# Altium PCB PCB_Raspberry_V4.PcbDoc (continued)
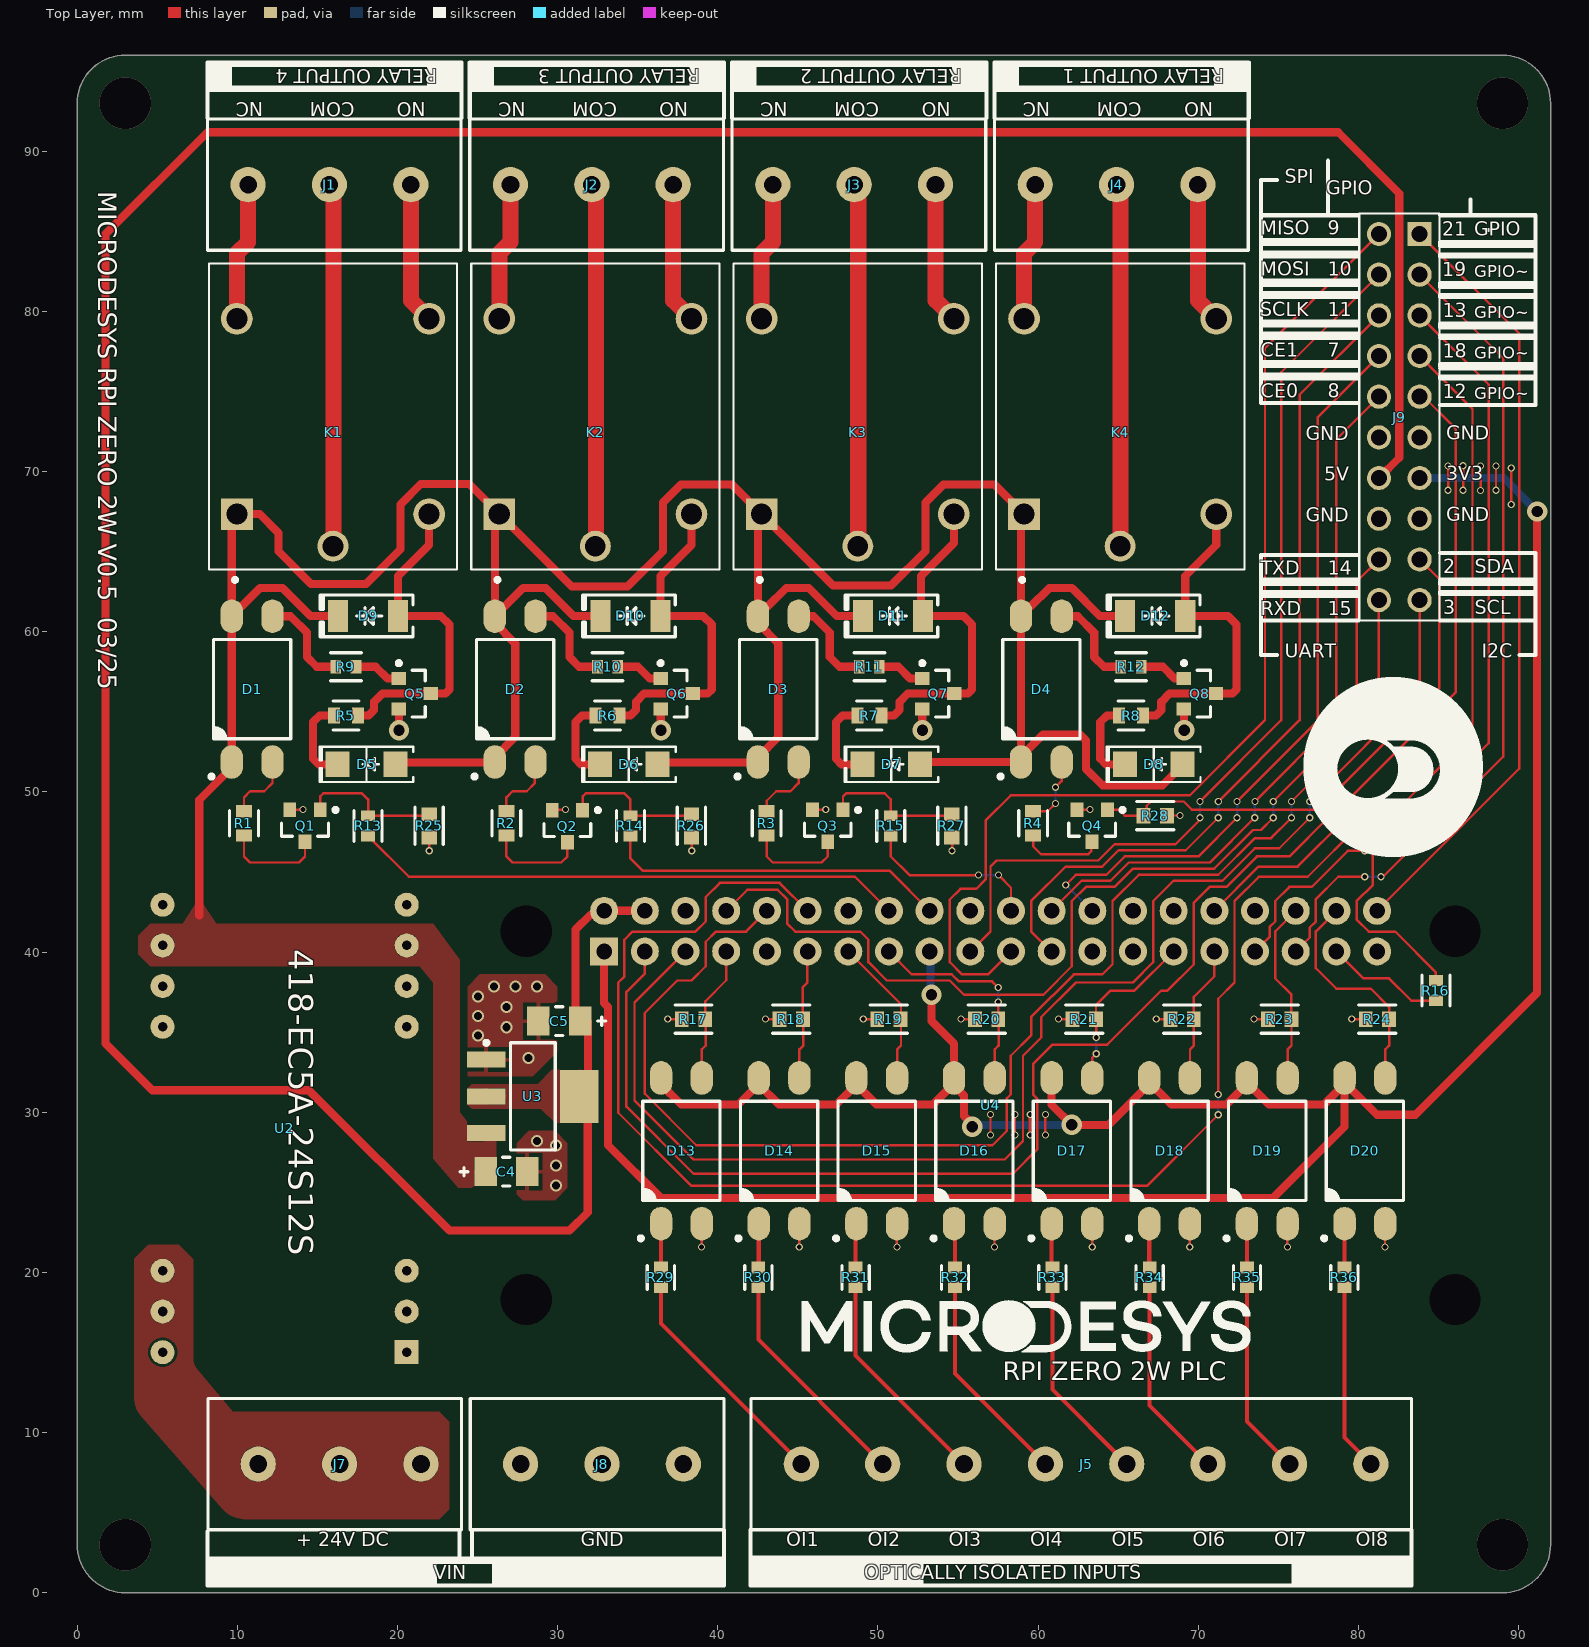
[diagram p0: Top Layer view]
## Part data
C4 C5: library part CMP-2000-07219-2, "TAJA106M010RNJ 10uF 10V  ±20% 3Ω 1206  SMD Tantalum Capacitor", Case Code (Imperial)=1206, Case Code (Metric)=3216, Dielectric Material=Tantalum, ESR (Equivalent Series Resistance)=3R, Leakage Current=1uA, Max Operating Temperature=125°C, Min Operating Temperature=-55°C, Package Quantity=1, Tolerance=20%, Voltage=10V, Capacitance=10uF, Case/Package=1206, Construction=Flat, Depth=1.6mm, Dissipation Factor=6%, Features="General Purpose", Height=1.6mm, Height - Seated (Max)=0.071inch, Lead Free="Lead Free", Lead Pitch=1.1mm, Length=3.2mm, Mount="Surface Mount", Number of Pins=2, Packaging="Tape and Reel", Polarity=Polar, Radiation Hardening=No, REACH SVHC="No SVHC", RoHS Compliant=Yes, Series=TAJ, Termination=SMD/SMT, Voltage Rating=10V, Voltage Rating (DC)=10V, Width=0.063inch
D1 D2 D3 D4 D13 D14 D15 D16 D17 D18 D19 D20: "OPTOISOLATR 5KV TRANSISTOR 4-SMD", Current - DC Forward (If) (Max)=50mA, Current Transfer Ratio (Max)="600% @ 5mA", Current Transfer Ratio (Min)="50% @ 5mA", Device Package="4-SMD, Gull Wing", Manufacturer="Lite-On Inc.", Operating Temperature="-30°C ~ 110°C", Supplier Device Package=4-SMD, Supplier Part Number 1=160-2038-1-ND, Voltage - Forward (Vf) (Typ)=1.2V, Voltage - Isolation=5000Vrms, Voltage - Output (Max)=35V, ComponentLink1Description=Datasheet, ComponentLink1URL=http://optoelectronics.liteon.com/upload/download/DS-70-96-0016/LTV-8X7%20series%20201610%20.pdf, ComponentLink2Description="DigiKey Link", ComponentLink2URL=http://digikey.com/product-detail/en/lite-on-inc/LTV-817S-TA/160-2038-1-ND/3711420, Current - Output / Channel=50mA, Input Type=DC, LastUpdated="12/01/2020 21:59:02", Lifecycle Status=Active, Minimum Order=1, Mounting Type="Surface Mount", Number of Channels=1, Output Type=Transistor, Package / Case="4-SMD, Gull Wing", Packaging=TapeAndReel, Part Number=LTV-817S-TA, Part Status=Active, Price=0.12, Rise / Fall Time (Typ)="4µs, 3µs", Series=-, Supplier 1=DigiKey, Vce Saturation (Max)=200mV
D5 D6 D7 D8: library part LTST-C150KAKT, "LED RED CLEAR SMD", Current - Test=20mA, Device Package="1206 (3216 Metric)", Lens Color=Colorless, Manufacturer="Lite-On Inc.", Millicandela Rating=55mcd, Supplier Part Number 1=160-1402-1-ND, Voltage - Forward (Vf) (Typ)=2V, Color=Red, ComponentLink1Description=Datasheet, ComponentLink1URL=//media.digikey.com/pdf/Data%20Sheets/Lite-On%20PDFs/LTST-C150KAKT.pdf, ComponentLink2Description="DigiKey Link", ComponentLink2URL=http://digikey.com/product-detail/en/lite-on-inc/LTST-C150KAKT/160-1402-1-ND/386755, Configuration=Standard, Height (Max)=1.10mm, LastUpdated="03/06/2024 20:00:41", Lens Size="2.06mm x 1.60mm", Lens Style="Rectangle with Flat Top", Lens Transparency=Clear, Lifecycle Status=Active, Minimum Order=1, Mounting Type="Surface Mount", Package / Case="1206 (3216 Metric)", Packaging=TapeAndReel, Part Number=LTST-C150KAKT, Part Status=Active, PartId=189, Price=0.07, Series=-, Size / Dimension="3.20mm L x 1.60mm W", Supplier 1=DigiKey, Viewing Angle=130°, Wavelength - Dominant=615nm, Wavelength - Peak=621nm
D9 D10 D11 D12: "DIODE GEN PURP 100V 200MA SOD80", Current - Average Rectified (Io)=200mA, Current - Reverse Leakage @ Vr="25nA @ 20V", Manufacturer="ON Semiconductor", Operating Temperature - Junction="-55°C ~ 175°C", Package / Case="DO-213AC, MINI-MELF, SOD-80", Supplier Device Package=SOD-80, Supplier Part Number 1=LL4148FSCT-ND, Voltage - DC Reverse (Vr) (Max)=100V, Voltage - Forward (Vf) (Max) @ If="1V @ 10mA", ComponentLink1Description=Datasheet, ComponentLink1URL=https://www.onsemi.com/pub/Collateral/LL4148-D.pdf, ComponentLink2Description="DigiKey Link", ComponentLink2URL=http://digikey.com/product-detail/en/on-semiconductor/LL4148/LL4148FSCT-ND/1923118, Diode Type=Standard, LastUpdated="03/06/2024 20:05:39", Lifecycle Status=Active, Minimum Order=1, Mounting Type="Surface Mount", Packaging=TapeAndReel, Part Number=LL4148, Part Status=Active, PartId=2621, Price=0.02, Reverse Recovery Time (trr)=4ns, Series=-, Speed="Small Signal =< 200mA (Io), Any Speed", Supplier 1=DigiKey
J1 J2 J3 J4 J7 J8: "TERM BLK 3P SIDE ENT 5.08MM PCB", Color=Green, Current="13.5 A", Manufacturer="TE Connectivity AMP Connectors", Supplier Part Number 1=A113321-ND, Voltage="300 V", ComponentLink1Description=Datasheet, ComponentLink1URL=https://www.te.com/commerce/DocumentDelivery/DDEController?Action=srchrtrv&DocNm=282837&DocType=Customer+Drawing&DocLang=English, ComponentLink2Description="DigiKey Link", ComponentLink2URL=https://www.digikey.com/en/products/detail/te-connectivity-amp-connectors/282837-3/2187974, Features="Interlocking (Side)", LastUpdated="21/06/2022 15:00:39", Lifecycle Status=Active, Mating Orientation="Horizontal with Board", Minimum Order=1, Mounting Type="Through Hole", Number of Levels=1, Packaging=Tray, Part Number=282837-3, Part Status=Active, Pitch="0.200\" (5.08mm)", Positions Per Level=3, Price=0.47, Series=Buchanan, Supplier 1=DigiKey, Wire Gauge="16-28 AWG", Wire Termination="Screw - Rising Cage Clamp"
J5: "TERM BLK 8P SIDE ENT 5.08MM PCB", Color=Green, Current="13.5 A", Manufacturer="TE Connectivity AMP Connectors", Supplier Part Number 1=282837-8-ND, Voltage="300 V", ComponentLink1Description=Datasheet, ComponentLink1URL=https://www.te.com/commerce/DocumentDelivery/DDEController?Action=srchrtrv&DocNm=282837&DocType=Customer+Drawing&DocLang=English, ComponentLink2Description="DigiKey Link", ComponentLink2URL=https://www.digikey.com/en/products/detail/te-connectivity-amp-connectors/282837-8/2222331, Features="Interlocking (Side)", LastUpdated="21/06/2022 15:01:52", Lifecycle Status=Active, Mating Orientation="Horizontal with Board", Minimum Order=1, Mounting Type="Through Hole", Number of Levels=1, Packaging=Bulk, Part Number=282837-8, Part Status=Active, Pitch="0.200\" (5.08mm)", Positions Per Level=8, Price=1.64, Series=Buchanan, Supplier 1=DigiKey, Wire Gauge="16-28 AWG", Wire Termination="Screw - Rising Cage Clamp"
J9: "Conn Unshrouded Header HDR 20 POS 2.54mm Solder ST Thru-Hole Box", Package=None, Availability=Good, Check_prices=https://www.snapeda.com/parts/1-826656-0/TE%20Connectivity%20AMP%20Connectors/view-part/2881856/?ref=eda, MF="TE Connectivity", MP=1-826656-0, Price=None, Purchase-URL=https://pricing.snapeda.com/search/part/1-826656-0/?ref=eda, SnapEDA_Link=https://www.snapeda.com/parts/1-826656-0/TE%20Connectivity%20AMP%20Connectors/view-part/2881856/?ref=snap
K1 K2 K3 K4: library part SRD-05VDC-SL-C, "5V Trigger Relay Module For Arduino And Raspberry Pi 5V Trigger Relay Module For Arduino And Raspberry Pi", Package="NON STANDARD-5 Songle Relay", Availability="Not in stock", Check_prices=https://www.snapeda.com/parts/SRD-05VDC-SL-C/Songle+Relay/view-part/?ref=eda, MF="Songle Relay", MP=SRD-05VDC-SL-C, Price=None, SnapEDA_Link=https://www.snapeda.com/parts/SRD-05VDC-SL-C/Songle+Relay/view-part/?ref=snap
Q1 Q2 Q3 Q4 Q5 Q6 Q7 Q8: library part CMP-1048-00625-1, "General Purpose Transistor, NPN Silicon, 3-Pin SOT-23, Pb-Free, Tape and Reel", Manufacturer="On Semiconductor", ComponentLink1Description="Manufacturer URL", ComponentLink1URL=http://www.onsemi.com/, ComponentLink2Description=Datasheet, ComponentLink2URL=http://www.onsemi.cn/pub_link/Collateral/MMBT3904LT1-D.PDF, ComponentLink3Description="Package Specification", ComponentLink3URL=http://www.onsemi.cn/pub_link/Collateral/318-08.PDF, DatasheetVersion="Rev. 12", fT Min (MHz)=300, IC Continuous (A)=0.2, Mounting Technology="Surface Mount", PackageDescription="3-Pin Small Outline Transistor, Body 2.92 x 1.3 mm, Pitch 0.95 mm", PackageReference=SOT-23-3-318-08, PackageVersion="Rev. AP, 11/2009", Packing="Tape and Reel", PartNumber=SMMBT3904LT1G, Polarity=NPN, RoHS=TRUE
R1 R2 R3 R4 R5 R6 R7 R8: library part CMP-02407-003128-1, "RES Thick Film, 820Ω, 1%, 0.33W, 100ppm/°C, 0603", Case Code (Imperial)=0603, Case Code (Metric)=1608, Max Operating Temperature=155°C, Max Power Dissipation=250mW, Min Operating Temperature=-55°C, Package Quantity=1, Resistance=820R, Temperature Coefficient=100ppm/°C, Tolerance=1%, Voltage Rating=75V, Case/Package=0603, Composition="Thick Film", Contact Plating=Tin, Depth=0.85mm, Features="Automotive AEC-Q200", Height=0.45mm, Lead Free="Lead Free", Length=1.6mm, Military Standard=Not, Number of Terminations=2, Packaging="Tape and Reel", Power Rating=250mW, Radiation Hardening=No, Termination=SMD/SMT, Voltage Rating (DC)=75V, Weight=7.1E-05oz, Width=0.033inch
R9 R10 R11 R12 R13 R14 R15 R16: library part CMP-02407-000265-1, "MCT0603PD1001DP500 RES SMD 100 OHM 1% 1/8W 0603", Case Code (Imperial)=0603, Case Code (Metric)=1608, Max Operating Temperature=175°C, Max Power Dissipation=250mW, Min Operating Temperature=-55°C, Resistance=1kR, Temperature Coefficient=25ppm/°C, Tolerance=0.5%, Case/Package=0603, Composition="Thin Film", Features="Automotive AEC-Q200", Number of Terminations=2, Packaging="Tape and Reel"
R17 R18 R19 R20 R21 R22 R23 R24 R25 R26 R27 R28: library part CMP-02407-000530-1, "MCT0603MD1002BP100 RES SMD 10k OHM 1% 1/8W 0603", Case Code (Imperial)=0603, Case Code (Metric)=1608, Max Operating Temperature=155°C, Max Power Dissipation=125mW, Min Operating Temperature=-55°C, Package Quantity=1, Resistance=10kR, Temperature Coefficient=25ppm/°C, Tolerance=0.1%, Voltage Rating=75V, Case/Package=0603, Composition="Thin Film", Contact Plating=Tin, Depth=0.85mm, Features="Automotive AEC-Q200", Height=0.45mm, Lead Free="Lead Free", Length=1.55mm, Military Standard=Not, Number of Terminations=2, Packaging="Tape and Reel", Power Rating=125mW, Radiation Hardening=No, REACH SVHC="No SVHC", Voltage Rating (DC)=75V, Width=0.033inch
R29 R30 R31 R32 R33 R34 R35 R36: library part CMP-02407-004713-1, "CRCW06031K50FKEC RES Thick Film, 1.5kΩ, 1%, 0.1W, 100ppm/°C, 0603", Case/Package=0603, Max Operating Temperature=155°C, Max Power Dissipation=100mW, Min Operating Temperature=-55°C, Package Quantity=20000, Resistance=1.5kR, Temperature Coefficient=100ppm/°C, Tolerance=1%, Composition="Thick Film", Depth=0.85mm, Features="Automotive AEC-Q200", Height=0.02inch, Lead Free="Lead Free", Length=0.061inch, Military Standard=Not, Number of Terminations=2, Packaging="Tape and Reel", Width=0.033inch
U3: library part CMP-0062-01640-3, "800mA Low-Dropout Linear Regulator, 4-pin SOT-223", Manufacturer="National Semiconductor", PackageTopMarking=XYTT*N06A, PowerWise=N, Code_IPC=SOT223-4, Code_JEDEC=TO-261-AA, ComponentLink1Description="Manufacturer URL", ComponentLink1URL=http://www.national.com/, ComponentLink2Description="LM1117 Datasheet", ComponentLink2URL=http://www.national.com/ds/LM/LM1117.pdf, ComponentLink3Description="LM1117 Web Page", ComponentLink3URL=http://www.national.com/pf/LM/LM1117.html, ComponentLink4Description="MP04A Package Page", ComponentLink4URL=http://www.national.com/packaging/folders/mp04a.html, CompType="LDO IC", DatasheetVersion=Apr-2006, High-Reliability=Y, PackageDescription="Molded SOT-223, 6.50 x 3.56 x 1.6mm Body, 4 Lead, 2.3mm Pitch", PackageReference=MP04A, PackageVersion="revB, Apr-2003", PartNumber=LM1117MP-5.0, PinCount=4, RevisionNote="SCH symbol layout adjusted", RoHS=N

## Via types
v1: diameter 0.45, hole 0.3, Top Layer to Bottom Layer, tented both sides, 77 vias
v2: diameter 0.75, hole 0.5, Top Layer to Bottom Layer, tented both sides, 13 vias
v3: diameter 1.27, hole 0.711, Top Layer to Bottom Layer, tented both sides, 8 vias
v4: diameter 3.2, hole 3.2, Top Layer to Bottom Layer, 4 vias

## Nets (pads, with @x,y where several pads share a name; then routed paths per layer and width w, separated by ;. In a path a pad name is that pad's centre, name@x,y a point inside that pad or via, vN(x,y) a via of type N, cw(c..) or ccw(c..) an arc to the next point about the centre after c; other vN are vias at no path point)
3V3: D13.4 D14.4 D15.4 D16.4 D17.4 D18.4 D19.4 D20.4 J9.7 U4.1 U4.17 | length 183.9
  Top Layer w0.508: U4.1 32.904,36.819 33.147,36.576 33.147,27.94 36.449,24.638 74.676,24.638 79.132,29.094 79.132,31.761 77.851,30.48 74.422,30.48 73.036,31.866 D19.4 ; D13.4 36.46,31.739 37.719,30.48 41.275,30.48 D14.4@42.556,31.761 ; D14.4 D14.4@42.556,31.761 ; D15.4 D15.4@48.652,31.739 ; v3@53.34,37.465 v3(53.34,37.338) 53.34,35.687 54.748,34.279 D16.4 D16.4@54.748,31.79 ; v3(55.88,29.083) 55.88,29.254 55.372,29.762 55.372,31.046 54.748,31.671 D16.4@54.748,31.79 ; D17.4 60.844,30.469 v3(62.103,29.21) 64.389,29.21 66.94,31.761 D18.4 ; D18.4@66.992,31.813 68.326,30.48 71.755,30.48 D19.4@73.036,31.761 ; D20.4 79.132,31.866 81.153,29.845 83.566,29.845 91.16,37.439 v3(91.16,67.507) ; D14.4@42.556,31.761 42.556,31.739 43.815,30.48 47.393,30.48 D15.4@48.652,31.739 ; D15.4@48.652,31.739 49.911,30.48 53.438,30.48 D16.4@54.748,31.79
  Bottom Layer w0.508: U4.17 53.282,39.978 53.282,37.523 v3@53.34,37.465 ; v3(55.88,29.083) 56.001,29.204 62.097,29.204 v3(62.103,29.21) ; J9.7 89.07,69.596 v3(91.16,67.507)
+5V: C5.2 J9.17 U3.2 U3.4 U4.2 U4.4 | length 212.6
  Top Layer w0.508: U3.4 31.877,30.459 31.877,23.749 30.734,22.606 23.241,22.606 14.478,31.369 4.699,31.369 1.778,34.29 1.778,84.836 8.128,91.186 78.74,91.186 82.55,87.376 82.55,70.866 J9.17 ; C5.2 31.115,35.971 31.115,41.402 32.032,42.319 32.647,42.319 U4.2 U4.4 ; U3.4@31.9,30.459 C5.2@31.9,35.687
+12V: C4.2 D1.1 D1.4 D2.1 D2.4 D3.1 D3.4 D4.1 D4.4 D5.1 D6.1 D7.1 D8.1 D9.2 D10.2 D11.2 D12.2 K1.A1 K2.A1 K3.A1 K4.A1 U2.11 U2.14 U3.3 | length 204.7
  Top Layer w0.508: 7.62,42.291 7.62,49.486 9.653,51.519 D1.1 ; D1.1@9.653,52.158 D1.4@9.653,60.538 ; D1.4 K1.A1@9.653,67.15 ; K1.A1 11.398,67.342 12.573,66.167 12.573,65.024 14.605,62.992 18.034,62.992 20.193,65.151 20.193,67.956 21.452,69.215 24.482,69.215 K2.A1 ; D1.4@10.222,61.538 11.422,62.738 12.827,62.738 14.574,60.991 D9.2@16.16,60.991 ; D5.1@19.865,51.829 D2.1@26.078,51.829 ; D2.1@26.078,52.158 27.347,53.427 27.347,59.269 D2.4@26.078,60.538 ; D2.4 26.078,67.065 K2.A1 ; D2.4@26.648,61.538 27.847,62.738 29.252,62.738 30.999,60.991 D10.2@32.585,60.991 ; D6.1@36.355,51.829 D3.1@42.504,51.829 ; D3.1@42.504,52.158 43.773,53.427 43.773,59.269 D3.4@42.504,60.538 ; D3.4 42.504,67.108 K3.A1 ; D3.4@43.073,61.538 44.273,62.738 45.678,62.738 47.425,60.991 D11.2@49.011,60.991 ; D7.1 52.78,51.869 D4.1 D4.1@58.929,52.219 ; D4.4 D4.1@58.929,52.219 ; D12.2 63.85,60.991 62.103,62.738 60.698,62.738 59.498,61.538 59.458,61.538 58.929,61.009 58.929,67.15 K4.A1 57.271,69.192 54.079,69.192 52.959,68.072 52.959,65.024 50.814,62.879 47.201,62.879 K3.A1 ; D8.1 69.014,51.67 67.763,50.419 64.008,50.419 62.992,51.435 62.992,53.213 62.611,53.594 60.304,53.594 D4.1@58.929,52.219 ; K2.A1 30.878,62.819 34.371,62.819 36.576,65.024 36.576,68.072 37.696,69.192 40.888,69.192 41.448,68.632 K3.A1
+24V: J7.1 J7.2 J7.3 U2.22 U2.23
CE0: J9.15 U4.24 | length 44.6
  Top Layer w0.15: U4.24 62.718,44.45 64.516,44.45 65.659,45.593 70.726,45.593 v1(73.52,48.387) ; v1(73.533,49.403) 78.613,54.483 78.613,72.009 J9.15
  Bottom Layer w0.15: v1@73.526,48.407 v1@73.526,49.396
CE1: J9.14 U4.26 | length 47.3
  Top Layer w0.15: v1(61.722,44.196) 62.357,44.831 64.262,44.831 65.405,45.974 70.009,45.974 v1(72.422,48.387) ; v1(72.422,49.403) 77.47,54.451 77.47,73.406 J9.14
  Bottom Layer w0.15: v1(61.722,44.196) 61.743,44.196 63.363,42.576 U4.26 ; v1(72.422,48.387) v1(72.422,49.403)
COM1: J1.2 K1.COM | length 22.7
  Top Layer w1: J1.2 15.749,87.59 16.002,87.337 16.002,65.774 15.972,65.744 K1.COM
COM2: J2.2 K2.COM | length 21.6
  Top Layer w1: K2.COM@32.385,65.774 J2.2@32.385,87.337
COM3: J3.2 K3.COM | length 21.6
  Top Layer w1: K3.COM@48.768,65.774 J3.2@48.768,87.337
COM4: J4.2 K4.COM | length 21.6
  Top Layer w1: K4.COM@65.151,65.774 J4.2@65.151,87.337
DI1: J9.5 U4.32 | length 40.9
  Top Layer w0.15: U4.32 73.767,45.339 76.2,45.339 v1(79.248,48.387) ; v1(79.249,49.402) 86.086,56.239 86.086,72.664 84.074,74.676 J9.5
  Bottom Layer w0.15: v1(79.248,48.387) v1(79.249,49.402)
DI2: J9.4 U4.12 | length 124.5
  Top Layer w0.15: U4.12 43.857,44.323 40.132,44.323 39.243,43.434 39.243,41.91 38.608,41.275 34.671,41.275 34.163,40.767 34.163,38.481 33.782,38.1 33.782,29.972 38.354,25.4 66.802,25.4 v1(71.247,29.845) ; v1(71.247,31.115) 71.247,37.084 72.263,38.1 72.263,43.18 73.787,44.704 76.835,44.704 v1@80.094,47.963 ; v1@81.42,47.892 87.122,53.594 87.122,73.914 J9.4
  Bottom Layer w0.15: v1(71.247,29.845) v1(71.247,31.115) ; v1(80.129,47.927) v1@81.323,47.927
  other v1: 81.368,47.945
DI3: J9.3 U4.33 | length 49.6
  Top Layer w0.15: U4.33 74.451,40.943 74.451,41.558 74.803,41.91 74.803,43.18 75.692,44.069 77.089,44.069 79.344,46.324 v1(80.387,46.324) ; v1(81.403,46.31) 88.138,53.045 88.138,75.438 J9.3
  Bottom Layer w0.15: v1@80.394,46.317 v1@81.383,46.317
DI4: J9.2 U4.35 | length 51.4
  Top Layer w0.15: U4.35 76.962,40.914 76.962,41.529 77.343,41.91 77.343,43.307 78.741,44.705 v1(80.392,44.705) ; v1(81.407,44.704) 81.534,44.704 89.038,52.208 89.038,77.078 J9.2
  Bottom Layer w0.15: v1(80.392,44.705) v1@81.407,44.704
DI5: J9.1 U4.40 | length 48.5
  Top Layer w0.15: U4.40 90.043,51.455 90.043,78.613 J9.1
GND: C4.1 C5.1 D13.2 D14.2 D15.2 D16.2 D17.2 D18.2 D19.2 D20.2 J8.1 J8.2 J8.3 J9.6 J9.8 J9.16 J9.18 Q1.2 Q2.2 Q3.2 Q4.2 Q5.2 Q6.2 Q7.2 Q8.2 R17.1 R18.1 R19.1 R20.1 R21.1 R22.1 R23.1 R24.1 R25.1 R26.1 R27.1 R28.1 U2.2 U2.3 U2.9 U2.16 U3.1 U4.6 U4.9 U4.14 U4.20 U4.25 U4.30 U4.34 U4.39 | length 39.1
  Top Layer w0.15: Q1.2 13.29,48.895 v1(14.097,48.895) ; v1(21.987,46.327) R25.1@21.987,47.134 ; Q2.2@29.718,48.924 29.747,48.895 v1(30.48,48.895) ; v1(36.876,35.814) R17.1@37.592,35.814 ; v1(38.37,46.327) R26.1@38.37,47.134 ; v1(38.989,21.59) D13.2@38.989,22.225 ; v1(42.977,35.814) R18.1@43.693,35.814 ; v1(45.085,21.59) D14.2@45.085,22.225 ; Q3.2@45.975,48.94 46.02,48.895 v1(46.736,48.895) ; v1(49.077,35.814) R19.1@49.793,35.814 ; v1(51.181,21.59) D15.2@51.181,22.225 ; v1(54.626,46.327) R27.1@54.626,47.134 ; v1(55.178,35.814) R20.1@55.894,35.814 ; v1(57.023,28.575) v1(57.023,29.851) ; v1(57.277,21.59) D16.2@57.277,22.225 ; v1(58.547,28.575) v1(58.547,29.851) ; v1(59.505,28.575) 59.47,28.61 59.47,29.816 v1(59.505,29.851) ; v1(60.452,28.575) v1(60.452,29.851) ; v1(61.279,35.814) R21.1@61.995,35.814 ; Q4.2@62.484,48.94 62.529,48.895 v1(63.246,48.895) ; v1(63.373,21.59) D17.2@63.373,22.225 ; v1(67.379,35.814) R22.1@68.095,35.814 ; R28.1@68.055,48.53 v1(68.862,48.53) ; v1(69.469,21.59) D18.2@69.469,22.225 ; v1(73.48,35.814) R23.1@74.196,35.814 ; v1(75.565,21.59) D19.2@75.565,22.225 ; v1(79.581,35.814) R24.1@80.297,35.814 ; v1(81.661,21.59) D20.2@81.661,22.225 ; v1(85.598,68.834) v1(85.598,70.358) ; v1(88.588,68.834) v1(88.588,70.358) ; v1(89.535,67.945) v1(89.535,70.231) ; v1(86.536,68.838) v1(86.536,70.362) v1(86.536,68.838) ; v1(87.627,68.823) v1(87.627,70.347) v1(87.627,68.823)
  Top Layer w0.508: v3@20.083,53.873 Q5.2 ; Q6.2 36.436,55.174 36.436,53.861 v3(36.449,53.848) ; v3@52.764,53.873 Q7.2 ; v3@69.105,53.873 Q8.2
  other v2: 29.896,25.439 29.896,26.686 29.896,27.933 28.702,28.194 28.194,33.401 25.019,34.798 26.797,35.306 25.019,36.005 26.797,36.576 25.019,37.211 26.035,37.846 27.368,37.846 28.702,37.846
  other v3: 20.096,53.861 52.777,53.861 69.118,53.861
IN1: J5.1 R29.2 | length 14.7
  Top Layer w0.254: R29.2 36.449,16.796 J5.1
IN2: J5.2 R30.2 | length 14.8
  Top Layer w0.254: R30.2 42.527,15.798 J5.2 J5.2@49.777,8.032
IN3: J5.3 R31.2 | length 13.8
  Top Layer w0.254: R31.2 48.605,14.8 J5.3
IN4: J5.4 R32.2 | length 13.4
  Top Layer w0.254: R32.2 54.81,13.675 J5.4
IN5: J5.5 R33.2 | length 13
  Top Layer w0.254: R33.2 60.887,12.678 J5.5
IN6: J5.6 R34.2 | length 12.5
  Top Layer w0.254: R34.2 66.965,11.68 J5.6
IN7: J5.7 R35.2 | length 12.1
  Top Layer w0.254: R35.2 73.043,10.682 J5.7
IN8: J5.8 R36.2 | length 11.7
  Top Layer w0.254: R36.2 79.121,9.684 J5.8
MISO: J9.11 U4.21 | length 68.4
  Top Layer w0.15: U4.21 56.876,38.608 55.245,38.608 54.483,39.37 54.483,43.277 55.148,43.942 56.134,43.942 56.723,44.531 56.723,48.214 58.293,49.784 69.469,49.784 74.168,54.483 74.168,77.724 J9.11
MOSI: J9.12 U4.19 | length 58.8
  Top Layer w0.15: U4.19 57.023,41.295 57.023,45.339 57.404,45.72 63.754,45.72 64.77,46.736 68.58,46.736 v1@70.231,48.387 ; v1(70.104,49.403) 75.184,54.483 75.184,76.2 J9.12
  Bottom Layer w0.15: v1(70.104,48.387) v1(70.104,49.403)
NC1: J1.1 K1.NC | length 8.7
  Top Layer w1: K1.NC 9.972,83.632 10.669,84.329 J1.1
NC2: J2.1 K2.NC | length 8.7
  Top Layer w1: K2.NC 26.355,83.632 27.052,84.329 J2.1
NC3: J3.1 K3.NC | length 8.7
  Top Layer w1: K3.NC 42.738,83.632 43.435,84.329 J3.1
NC4: J4.1 K4.NC | length 8.7
  Top Layer w1: K4.NC 59.121,83.632 59.818,84.329 J4.1
NetD1_2: D1.2 R1.1 | length 4.3
  Top Layer w0.15: R1.1 10.414,49.657 10.795,50.038 11.684,50.038 12.193,50.547 D1.2
NetD1_3: D1.3 R9.1 | length 6.2
  Top Layer w0.508: D1.3 13.326,60.969 14.351,59.944 14.351,58.42 14.955,57.816 R9.1
NetD2_2: D2.2 R2.1 | length 4.3
  Top Layer w0.15: R2.1 26.797,49.657 27.178,50.038 28.067,50.038 28.576,50.547 D2.2@28.576,51.869
NetD2_3: D2.3 R10.1 | length 6.2
  Top Layer w0.508: D2.3@28.576,60.969 29.709,60.969 30.734,59.944 30.734,58.42 31.338,57.816 R10.1@32.531,57.816
NetD3_2: D3.2 R3.1 | length 4.4
  Top Layer w0.15: R3.1 43.053,49.445 43.646,50.038 44.535,50.038 45.044,50.547 D3.2
NetD3_3: D3.3 R11.1 | length 6.2
  Top Layer w0.508: D3.3@44.832,60.969 45.965,60.969 46.99,59.944 46.99,58.42 47.594,57.816 R11.1@48.787,57.816
NetD4_2: D4.2 R4.1 | length 4.4
  Top Layer w0.15: R4.1 60.604,48.793 v1(61.087,49.276) ; v1@61.168,50.292 v1(61.087,50.292) 61.469,50.674 D4.2
  Bottom Layer w0.15: v1(61.087,49.276) v1(61.087,50.292)
NetD4_3: D4.3 R12.1 | length 5.9
  Top Layer w0.508: D4.3 62.475,60.969 63.5,59.944 63.5,58.42 64.104,57.816 R12.1
NetD5_2: D5.2 R5.2 | length 5.4
  Top Layer w0.508: R5.2 15.144,54.768 14.732,54.356 14.732,52.07 15.082,51.72 D5.2
NetD6_2: D6.2 R6.2 | length 5.4
  Top Layer w0.508: R6.2@32.41,54.768 31.527,54.768 31.115,54.356 31.115,52.07 31.465,51.72 D6.2
NetD7_2: D7.2 R7.2 | length 5.4
  Top Layer w0.508: R7.2@48.666,54.768 47.783,54.768 47.371,54.356 47.371,52.07 47.721,51.72 D7.2@48.904,51.72
NetD8_2: D8.2 R8.2 | length 5.4
  Top Layer w0.508: R8.2@65.176,54.768 64.293,54.768 63.881,54.356 63.881,52.07 64.231,51.72 D8.2
NetD9_1: D9.1 K1.A2 Q5.3 R5.1 | length 21.2
  Top Layer w0.508: R5.1 18.2,54.768 18.542,55.11 18.542,55.626 19.053,56.137 Q5.3@21.956,56.137 ; K1.A2 21.972,65.406 20.037,63.471 D9.1 22.702,60.991 23.241,60.452 23.241,56.388 22.99,56.137 Q5.3
NetD10_1: D10.1 K2.A2 Q6.3 R6.1 | length 21.2
  Top Layer w0.508: R6.1 34.541,54.768 34.883,55.11 34.883,55.626 35.393,56.137 Q6.3@38.297,56.137 ; K2.A2 38.355,65.406 36.42,63.471 D10.1 39.085,60.991 39.624,60.452 39.624,56.388 39.373,56.137 Q6.3@38.466,56.137
NetD11_1: D11.1 K3.A2 Q7.3 R7.1 | length 21.5
  Top Layer w0.508: R7.1 50.208,54.893 R7.1@50.329,55.014 ; R7.1@50.335,54.768 51.008,54.768 51.35,55.11 51.35,55.626 51.861,56.137 Q7.3 55.629,56.137 55.88,56.388 55.88,60.452 55.341,60.991 D11.1 52.676,60.991 52.676,63.471 54.738,65.533 K3.A2
NetD12_1: D12.1 K4.A2 Q8.3 R8.1 | length 21.3
  Top Layer w0.508: R8.1@66.676,54.768 67.349,54.768 67.691,55.11 67.691,55.626 68.202,56.137 Q8.3 72.139,56.137 72.39,56.388 72.39,60.452 71.851,60.991 D12.1 69.186,63.471 71.121,65.406 K4.A2
NetD13_1: D13.1 R29.1 | length 2.8
  Top Layer w0.254: D13.1@36.5,23 D13.1 36.46,20.417 R29.1@36.576,20.3
NetD14_1: D14.1 R30.1 | length 2.6
  Top Layer w0.254: R30.1@42.556,20.417 D14.1
NetD15_1: D15.1 R31.1 | length 2.8
  Top Layer w0.254: R31.1 48.605,22.993 D15.1
NetD16_1: D16.1 R32.1 | length 2.8
  Top Layer w0.254: D16.1 54.81,22.978 R32.1
NetD17_1: D17.1 R33.1 | length 2.6
  Top Layer w0.254: R33.1@60.844,20.417 D17.1
NetD18_1: D18.1 R34.1 | length 2.6
  Top Layer w0.254: R34.1@66.94,20.417 D18.1
NetD19_1: D19.1 R35.1 | length 2.6
  Top Layer w0.254: R35.1@73.036,20.417 D19.1
NetD20_1: D20.1 R36.1 | length 2.6
  Top Layer w0.254: R36.1@79.132,20.417 D20.1
NetQ1_1: Q1.1 R13.2 R25.2 | length 8.9
  Top Layer w0.15: Q1.1 15.174,49.718 15.367,49.911 17.78,49.911 18.161,49.53 R13.2 21.871,48.508 R25.2
NetQ1_3: Q1.3 R1.2 | length 6.3
  Top Layer w0.15: R1.2 10.414,45.974 10.795,45.593 13.843,45.593 14.224,45.974 Q1.3
NetQ2_1: Q2.1 R14.2 R26.2 | length 8.9
  Top Layer w0.15: Q2.1@31.557,48.879 31.557,49.718 31.75,49.911 34.163,49.911 34.544,49.53 R14.2 38.254,48.508 R26.2
NetQ2_3: Q2.3 R2.2 | length 6.3
  Top Layer w0.15: R2.2 26.797,45.974 27.178,45.593 30.226,45.593 30.607,45.974 Q2.3@30.607,46.879
NetQ3_1: Q3.1 R15.2 R27.2 | length 8.9
  Top Layer w0.15: Q3.1 47.813,49.718 48.006,49.911 50.419,49.911 50.8,49.53 R15.2 54.51,48.508 R27.2
NetQ3_3: Q3.3 R3.2 | length 6.3
  Top Layer w0.15: R3.2 43.053,45.974 43.434,45.593 46.482,45.593 46.863,45.974 Q3.3
NetQ4_1: Q4.1 R16.2 R28.2 | length 31.3
  Top Layer w0.15: Q4.1 64.339,48.895 65.024,48.895 65.405,48.514 R28.2 R28.2@66.785,48.719 ; R28.2@66.658,48.719 66.785,48.846 66.785,49.132 67.056,49.403 69.088,49.403 69.596,48.895 80.138,48.895 80.899,48.134 80.899,44.196 79.883,43.18 79.883,42.037 80.645,41.275 82.296,41.275 84.836,38.735 R16.2
NetQ4_3: Q4.3 R4.2 | length 5.2
  Top Layer w0.15: R4.2 59.69,46.609 60.198,46.101 63.119,46.101 63.31,46.292 63.31,46.816 Q4.3
NetQ5_1: Q5.1 R9.2 | length 3
  Top Layer w0.508: R9.2 18.638,57.816 19.367,57.087 Q5.1
NetQ6_1: Q6.1 R10.2 | length 3
  Top Layer w0.508: R10.2@33.789,57.816 35.021,57.816 35.75,57.087 Q6.1@36.466,57.087
NetQ7_1: Q7.1 R11.2 | length 3
  Top Layer w0.508: R11.2@50.045,57.816 51.277,57.816 52.006,57.087 Q7.1@52.722,57.087
NetQ8_1: Q8.1 R12.2 | length 3
  Top Layer w0.508: R12.2@66.555,57.816 67.787,57.816 68.516,57.087 Q8.1@69.232,57.087
NO1: J1.3 K1.NO | length 8.8
  Top Layer w1: J1.3 20.829,80.685 K1.NO
NO2: J2.3 K2.NO | length 8.8
  Top Layer w1: J2.3 37.212,80.685 K2.NO
NO3: J3.3 K3.NO | length 8.8
  Top Layer w1: J3.3 53.595,80.685 K3.NO
NO4: J4.3 K4.NO | length 8.8
  Top Layer w1: J4.3 69.978,80.685 K4.NO
OI1: D13.3 R17.2 U4.7 | length 8.6
  Top Layer w0.15: D13.3 39,33.92 39.243,34.163 39.243,35.781 R17.2 39.21,36.924 40.524,38.238 U4.7
OI2: D14.3 R18.2 U4.11 | length 8.1
  Top Layer w0.15: D14.3 45.096,33.92 45.339,34.163 R18.2@45.339,35.781 ; R18.2 45.311,37.818 45.593,38.1 45.593,40.025 U4.11
OI3: D15.3 R19.2 U4.13 | length 9.4
  Top Layer w0.15: U4.13 51.435,36.745 51.435,34.163 51.192,33.92 D15.3
OI4: D16.3 R20.2 U4.15 | length 13.4
  Top Layer w0.15: U4.15 52.112,38.608 54.61,38.608 55.049,38.169 57.127,38.169 v1(57.508,37.788) ; D16.3 57.288,33.92 57.531,34.163 R20.2@57.531,35.781 ; v1(57.508,36.888) 57.512,36.884 R20.2
  Bottom Layer w0.15: v1@57.503,36.949 57.508,36.955 v1(57.508,37.788)
OI5: D17.3 R21.2 U4.29 | length 10.9
  Top Layer w0.15: D17.3 63.384,33.412 v1(63.627,33.655) ; v1(63.627,34.671) 63.627,35.8 R21.2 63.613,36.689 64.516,37.592 66.02,37.592 U4.29
  Bottom Layer w0.15: v1(63.627,33.655) v1(63.627,34.671)
OI6: D18.3 R22.2 U4.31 | length 8.5
  Top Layer w0.15: D18.3 69.48,33.92 69.723,34.163 R22.2@69.723,35.781 ; R22.2 69.714,37.202 71.004,38.492 U4.31
OI7: D19.3 R23.2 U4.36 | length 11.5
  Top Layer w0.15: D19.3 75.576,33.92 75.819,34.163 R23.2@75.819,35.781 ; R23.2 75.814,37.343 74.803,38.354 74.803,41.295 U4.36
OI8: D20.3 R24.2 U4.38 | length 14.2
  Top Layer w0.15: U4.38 77.343,41.295 77.343,38.989 78.613,37.719 80.772,37.719 81.915,36.576 R24.2 81.915,34.163 81.672,33.92 D20.3
Rele1: R16.1 U4.37 | length 7.5
  Top Layer w0.15: U4.37 80.306,38.354 81.915,38.354 83.306,36.963 R16.1
Rele2: R15.1 U4.22 | length 11
  Top Layer w0.15: R15.1 50.8,45.974 51.97,44.804 v1(56.272,44.804) ; v1(57.519,44.804) 58.304,44.019 U4.22
  Bottom Layer w0.15: v1(56.272,44.804) v1(57.519,44.804)
Rele3: R14.1 U4.18 | length 21.4
  Top Layer w0.15: R14.1 34.544,45.847 35.306,45.085 50.715,45.085 U4.18
Rele4: R13.1 U4.16 | length 34.5
  Top Layer w0.15: R13.1 20.707,44.704 48.556,44.704 U4.16
RXD: J9.20 U4.10 | length 87.7
  Top Layer w0.15: U4.10 41.763,41.275 39.878,41.275 39.243,40.64 39.243,39.116 38.354,38.227 37.465,38.227 35.433,36.195 35.433,31.161 38.654,27.94 57.15,27.94 58.039,28.829 58.039,30.861 58.293,31.115 58.293,33.528 59.563,34.798 59.563,35.941 62.23,38.608 64.008,38.608 64.643,39.243 64.643,43.18 66.294,44.831 71.247,44.831 73.533,47.117 74.549,47.117 v1@75.819,48.387 ; v1@75.926,49.51 81.28,54.864 J9.20
  Bottom Layer w0.15: v1(75.818,48.388) v1@75.819,49.403
  other v1: 75.819,49.403
SCL: J9.10 U4.5 | length 85.7
  Top Layer w0.15: U4.5 34.798,36.85 34.798,30.734 38.481,27.051 57.912,27.051 59.055,28.194 59.055,33.528 60.198,34.671 60.198,35.941 62.357,38.1 65.913,38.1 67.183,39.37 67.183,43.18 68.453,44.45 71.501,44.45 73.533,46.482 75.057,46.482 v1@76.962,48.387 ; v1(76.963,49.402) 83.82,56.26 J9.10
  Bottom Layer w0.15: v1@76.962,48.389 v1@76.962,49.402
  other v1: 76.961,48.388
SCLK: J9.13 U4.23 | length 53.1
  Top Layer w0.15: U4.23 60.822,40.036 59.563,41.295 59.563,43.18 61.722,45.339 64.008,45.339 65.024,46.355 69.215,46.355 v1(71.247,48.387) ; v1(71.253,49.409) 76.327,54.483 76.327,74.803 J9.13
  Bottom Layer w0.15: v1(71.247,48.387) v1@71.247,49.403 ; v1@71.374,49.403 v1@71.38,49.409
SDA: J9.9 U4.3 | length 90.2
  Top Layer w0.15: U4.3 35.444,38.668 34.29,37.515 34.29,30.353 38.481,26.162 58.42,26.162 59.955,27.697 59.955,30.835 59.69,31.1 59.69,33.02 60.891,34.221 64.32,34.221 67.691,37.592 68.072,37.592 69.723,39.243 69.723,43.095 70.697,44.069 71.755,44.069 73.66,45.974 75.691,45.974 v1(78.104,48.388) ; v1@77.978,49.403 85.044,56.469 85.044,63.292 J9.9
  Bottom Layer w0.15: v1@78.105,48.389 v1@78.105,49.402
  other v1: 78.106,49.402
TXD: J9.19 U4.8 | length 64.9
  Top Layer w0.15: U4.8 41.844,43.896 43.734,43.896 44.323,43.307 44.323,41.783 44.831,41.275 48.895,41.275 49.403,40.767 49.403,39.37 50.546,38.227 54.483,38.227 55.372,37.338 60.325,37.338 62.103,39.116 62.103,43.18 62.992,44.069 64.77,44.069 65.913,45.212 70.993,45.212 73.406,47.625 73.914,47.625 v1(74.676,48.387) ; v1(74.677,49.402) 79.883,54.609 79.883,63.119 J9.19
  Bottom Layer w0.15: v1(74.676,48.387) v1@74.676,49.402
pads on no net: U2.1 U2.10 U2.12 U2.13 U2.15 U2.24 U4.27 U4.28 U4.41 U4.42 U4.43 U4.44
copper on no net:
  other v4: 3,3 89,3 3,93 89,93

## Polygon pours and split planes (outlines as drawn)
GND on Top Layer "GND_L01_P009" (solid, pour order 9): 24.384,32.258 28.448,32.258 29.972,33.782 29.972,37.846 29.21,38.608 25.146,38.608 24.384,37.846
+5V on Top Layer "+5V_L01_P008" (solid, pour order 8): 24.384,31.496 24.638,31.75 28.75,31.75 29.639,32.639 31.496,32.639 31.496,29.337 29.845,29.337 28.956,30.226 24.638,30.226 24.384,30.48
GND on Top Layer "GND_L01_P007" (solid, pour order 7): 28.194,28.829 29.845,28.829 30.607,28.067 30.607,25.273 29.845,24.511 27.813,24.511 27.432,24.892 27.432,28.067
+12V on Top Layer "+12V_L01_P002" (solid, pour order 2): 26.162,25.273 26.162,29.337 24.393,29.337 23.889,29.993 23.888,39.522 22.225,41.783 8.669,41.783 7.747,43.18 7.493,43.18 6.604,41.783 4.572,41.783 3.81,41.021 3.81,39.878 4.572,39.116 5.334,39.116 21.4,39.116 22.225,38.1 22.225,27.095 23.785,25.273
+24V on Top Layer "+24V_L01_P001" (solid, pour order 1): 3.556,20.841 4.45,21.717 6.35,21.717 7.246,20.821 7.246,14.553 ccw(c8.087,14.553) 7.443,14.012 9.759,11.255 9.665,5.385 cw(c9.352,5.39) 9.116,5.184 4.014,11.014 cw(c5.406,12.233) 3.556,12.233
+24V on Top Layer "+24V_L01_P000" (solid, pour order 0): 22.606,11.303 23.241,10.668 23.241,5.207 22.606,4.572 10.585,4.572 cw(c10.585,6.601) 9.045,5.281 8.89,5.461 9.017,10.668 9.652,11.303
GND on Bottom Layer "GND_L02_P005" (solid, pour order 5): 0.019,92.993 0.019,2.993 ccw(c3.019,2.993) 3.019,-0.007 89.019,-0.007 89.019,0.081 ccw(c89.019,3.081) 92.019,3.081 92.019,92.993 ccw(c89.019,92.993) 89.019,95.993 3.019,95.993 ccw(c2.991,93.021)

## Silkscreen, mask and mechanical layers (free items; w line width, h text height)
Top Overlay:
  drawing of 12983 lines, arcs and shapes, not listed
  text "RELAY OUTPUT 4" at 22.479,95.42 h1.5 r180
  text "RELAY OUTPUT 3" at 38.862,95.42 h1.5 r180
  text "RELAY OUTPUT 2" at 55.244,95.42 h1.5 r180
  text "RELAY OUTPUT 1" at 71.628,95.42 h1.5 r180
  text "NC" at 11.613,93.367 h1.5 r180
  text "COM" at 17.328,93.365 h1.5 r180
  text "NO" at 21.773,93.365 h1.5 r180
  text "NC" at 27.996,93.367 h1.5 r180
  text "COM" at 33.711,93.365 h1.5 r180
  text "NO" at 38.156,93.365 h1.5 r180
  text "NC" at 44.378,93.367 h1.5 r180
  text "COM" at 50.093,93.365 h1.5 r180
  text "NO" at 54.538,93.365 h1.5 r180
  text "NC" at 60.762,93.367 h1.5 r180
  text "COM" at 66.477,93.365 h1.5 r180
  text "NO" at 70.922,93.365 h1.5 r180
  text "SPI" at 75.384,87.7 h1.5
  text "MICRODESYS RPI ZERO 2W V0.5  03/25" at 0.912,87.503 h2 r270
  text "GPIO" at 77.978,86.973 h1.5
  text "MISO" at 73.914,84.469 h1.5
  text "9" at 78.093,84.469 h1.5
  text "21" at 85.243,84.415 h1.5
  text "GPIO" at 87.237,84.415 h1.5
  text "MOSI" at 73.914,81.929 h1.5
  text "10" at 78.093,81.929 h1.5
  text "19" at 85.242,81.875 h1.5
  text "GPIO~" at 87.246,81.875 h1.3
  text "SCLK" at 73.881,79.389 h1.5
  text "11" at 78.093,79.389 h1.5
  text "13" at 85.251,79.335 h1.5
  text "GPIO~" at 87.246,79.335 h1.3
  text "CE1" at 73.914,76.849 h1.5
  text "7" at 78.093,76.849 h1.5
  text "18" at 85.256,76.795 h1.5
  text "GPIO~" at 87.246,76.795 h1.3
  text "CE0" at 73.914,74.309 h1.5
  text "8" at 78.093,74.309 h1.5
  text "12" at 85.279,74.255 h1.5
  text "GPIO~" at 87.246,74.255 h1.3
  text "GND" at 85.495,71.679 h1.5
  text "GND" at 76.708,71.646 h1.5
  text "3V3" at 85.495,69.139 h1.5
  text "5V" at 77.85,69.106 h1.5
  text "GND" at 85.495,66.599 h1.5
  text "GND" at 76.708,66.566 h1.5
  text "2" at 85.281,63.333 h1.5
  text "SDA" at 87.247,63.333 h1.5
  text "TXD" at 73.914,63.26 h1.5
  text "14" at 78.077,63.26 h1.5
  text "3" at 85.281,60.793 h1.5
  text "SCL" at 87.247,60.793 h1.5
  text "RXD" at 73.914,60.72 h1.5
  text "15" at 78.077,60.72 h1.5
  text "UART" at 75.384,58.081 h1.5
  text "I2C" at 87.703,58.079 h1.5
  text "RPI ZERO 2W PLC" at 57.785,12.85 h2
  text "+ 24V DC" at 13.662,2.58 h1.5
  text "GND" at 31.442,2.582 h1.5
  text "OI1" at 44.269,2.582 h1.5
  text "OI2" at 49.349,2.582 h1.5
  text "OI3" at 54.429,2.582 h1.5
  text "OI4" at 59.509,2.582 h1.5
  text "OI5" at 64.589,2.582 h1.5
  text "OI6" at 69.669,2.582 h1.5
  text "OI7" at 74.749,2.582 h1.5
  text "OI8" at 79.829,2.582 h1.5
  text "VIN" at 22.257,0.527 h1.5
  text "OPTICALLY ISOLATED INPUTS" at 49.149,0.527 h1.5
Bottom Overlay:
  drawing of 35265 lines, arcs and shapes, not listed
  text "MICRODESYS.ES" at 55.521,29.856 h3
Mechanical 1:
  circle w0.254: c86.033,41.306 r3.007
  circle w0.254: c86.033,18.306 r3.007
  circle w0.254: c28.033,18.306 r3.007
  circle w0.254: c28.033,41.306 r3.007
  circle w0.254: c3,3 r2.75
  circle w0.254: c3,93 r2.75
  circle w0.254: c89,93 r2.75
  circle w0.254: c89,3 r2.75
  lines w0.254: 3,93 0,93 ; 88.912,96 3,96 ; 92,3.088 92,93 ; 0,3 ccw(c3,3) 3,0 ; 0,3 0,93 ; 0,3 3,3 3,0 ; 0,93 cw(c3,93) 3,96 ; 3,0 89,0 ; 3,96 3,96 ; 89,0 ccw(c89,3) 92,3 89,3 89,0 ; 92,93 ccw(c89,93) 89,96 89,93 92,93